# Altium PCB Onju-Home.PcbDoc (part 1 of 2) (continued)
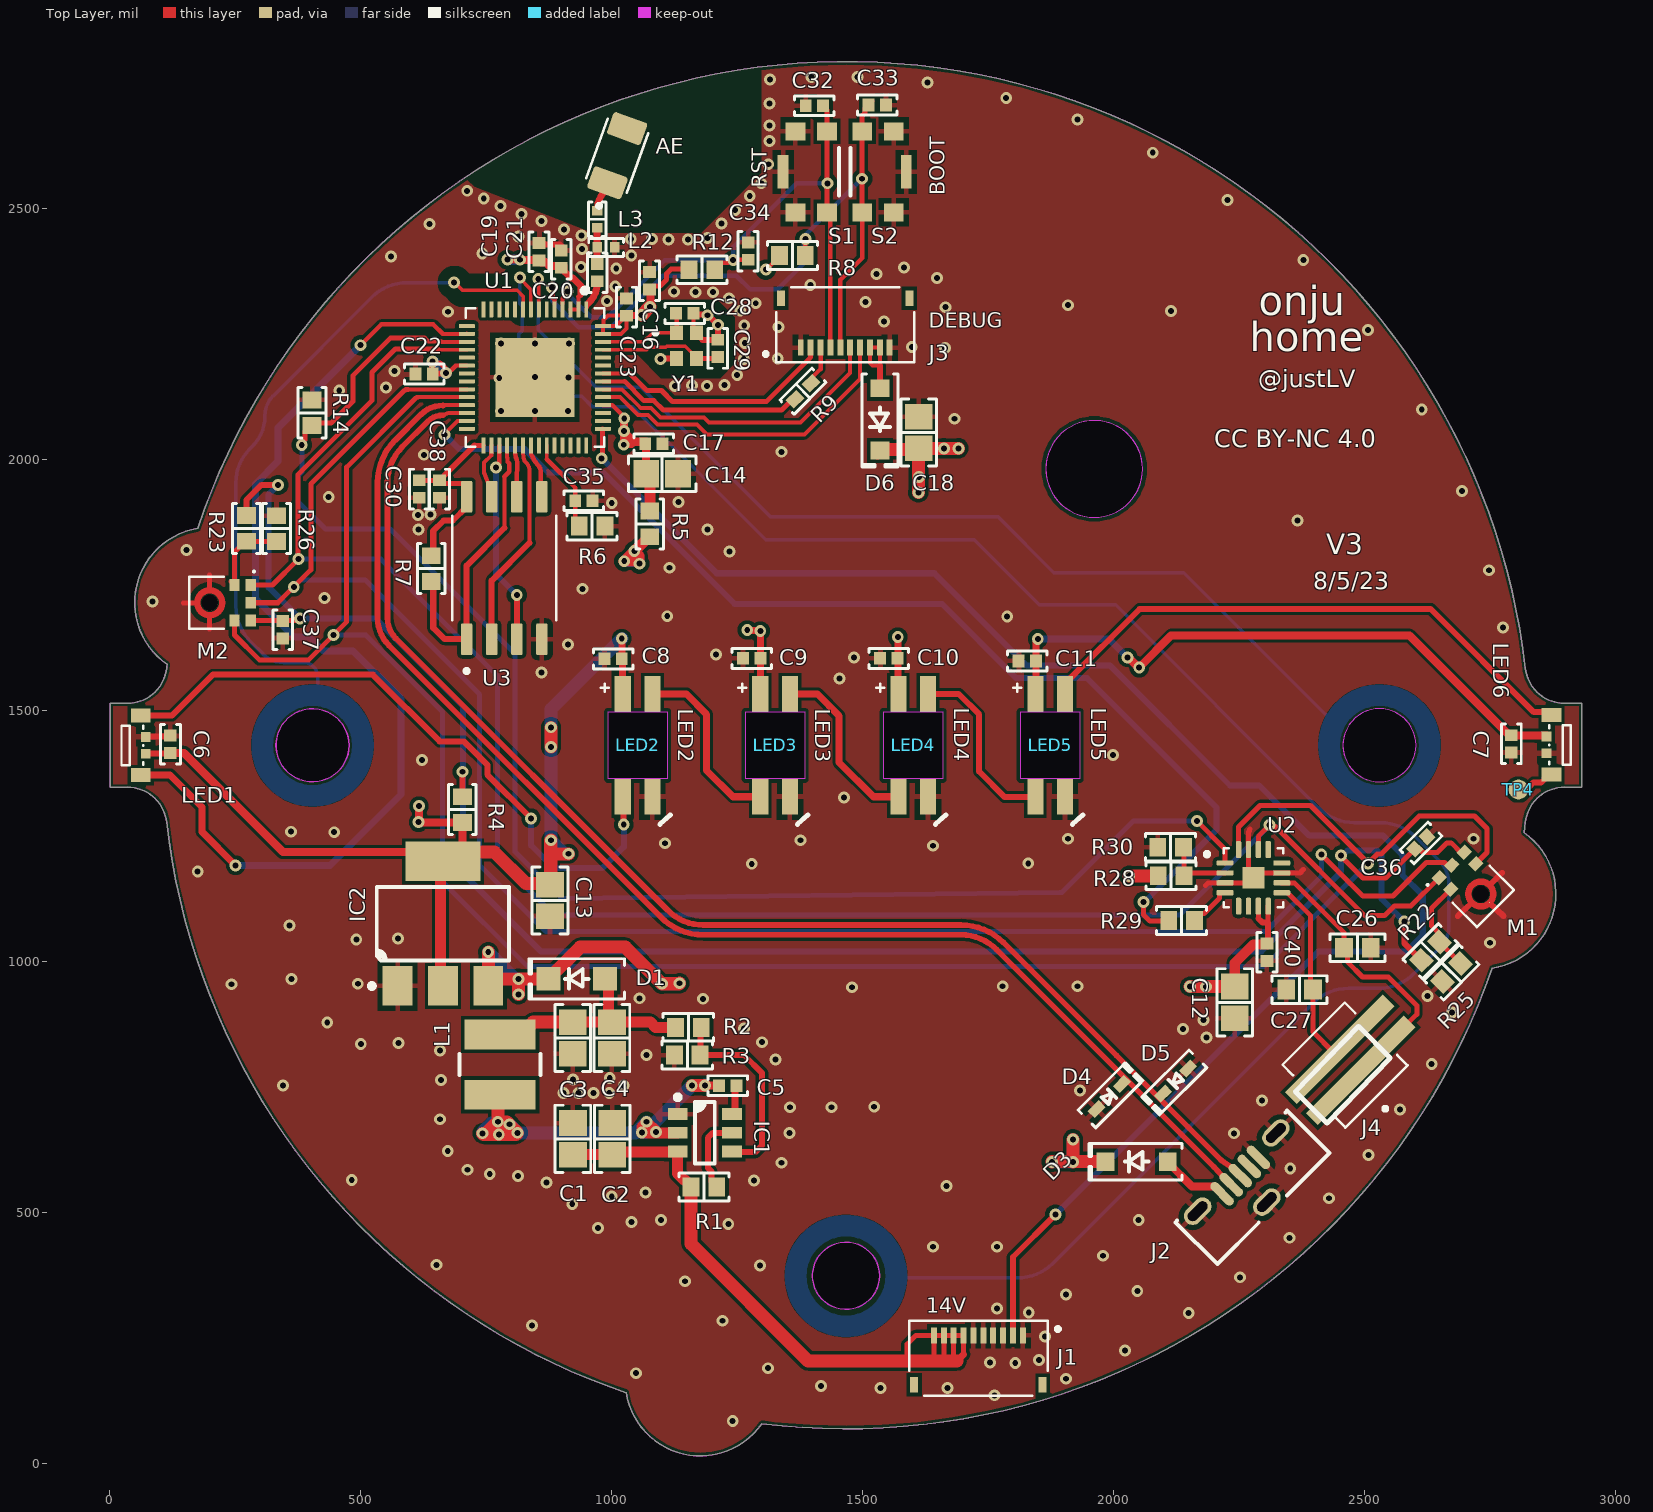
[diagram p0: Top Layer view]
## Components (designator, comment, footprint, x,y, rotation, side; value= is the part's Value field where it differs from the comment) (continued)
AE "2450AT18A100E" ANTC3216X140N 1011.04,2605.02 r70 top
C1 "10 µF" "CAP 0805_2012" 922.72,646 r90 top
C2 "10 µF" "CAP 0805_2012" 1000.72,646 r90 top
C3 "22 µF" "CAP 0805_2012" 922.42,847 r270 top
C4 "22 µF" "CAP 0805_2012" 1000.42,847 r270 top
C5 "0.1 µF" "CAP 0402_1005" 1231.25,752 r180 top
C6 "0.1 µF" "CAP 0402_1005" 120.63,1432.08 r270 top
C7 "0.1 µF" "CAP 0402_1005" 2792.57,1433 r90 top
C8 "0.1 µF" "CAP 0402_1005" 1002.74,1602.31 r0 top
C9 "0.1 µF" "CAP 0402_1005" 1278.81,1603.32 r0 top
C10 "0.1 µF" "CAP 0402_1005" 1552.17,1603.28 r0 top
C11 "0.1 µF" "CAP 0402_1005" 1827.9,1598.21 r0 top
C12 "10 µF" "CAP 0805_2012" 2241.42,918 r270 top
C13 "10 µF" "CAP 0805_2012" 876.99,1121.07 r270 top
C14 "10 µF" "CAP 0805_2012" 1100.52,1970.97 r0 top
C16 "1 µF" "CAP 0402_1005" 1075.3,2355.89 r270 top
C17 "0.1 µF" "CAP 0402_1005" 1084.14,2030.82 r180 top
C18 "10 µF" "CAP 0805_2012" 1611.5,2053.39 r90 top
C19 "1 µF" "CAP 0402_1005" 855.13,2413.83 r270 top
C20 "1.2 pF" "CAP 0402_1005" 970.97,2372.05 r270 top
C21 "0.1 µF" "CAP 0402_1005" 899.21,2398.96 r270 top
C22 "0.1 µF" "CAP 0402_1005" 626.11,2169.97 r0 top
C23 "0.1 µF" "CAP 0402_1005" 1029.29,2303.46 r270 top
C26 "220 pF" "CAP 0603_1608" 2485.91,1026.97 r0 top
C27 "220 pF" "CAP 0603_1608" 2370.55,943.41 r0 top
C28 "16 pF" "CAP 0402_1005" 1145.48,2290.72 r180 top
C29 "16 pF" "CAP 0402_1005" 1211.28,2220.86 r270 top
C30 "1 µF" "CAP 0402_1005" 616.39,1940.83 r90 top
C32 "0.1 µF" "CAP 0402_1005" 1403.93,2704.58 r0 top
C33 "0.1 µF" "CAP 0402_1005" 1529.16,2705.95 r180 top
C34 "1 µF" "CAP 0402_1005" 1271.72,2414.87 r270 top
C35 "1 µF" "CAP 0402_1005" 944.52,1917.61 r180 top
C36 "0.1 µF" "CAP 0402_1005" 2612.37,1235.67 r225 top
C37 "0.1 µF" "CAP 0402_1005" 344.66,1660.32 r90 top
C38 "0.1 µF" "CAP 0402_1005" 656.81,1940.83 r90 top
C40 "0.1 µF" "CAP 0402_1005" 2305.57,1018 r90 top
D1 "B240S1F-7" SOD123F 930.38,964.83 r180 top
D3 "1N5819HW-7-F" SOD-123 2046,600.43 r180 top
D4 "ESD5V0D5B-TP" SOD523F 1991.33,730.26 r45 top
D5 "ESD5V0D5B-TP" SOD523F 2123.44,760.98 r225 top
D6 "1N5819HW-7-F" SOD-123 1534.5,2079.7 r270 top
IC1 "TPS563201DDCT" "TI SOT-23-6 DDC" 1185.57,658 r0 top
IC2 "LD1117S33TR" "ST SOT-223" 663.7,1074.63 r90 top
J1 "FH34SRJ-10S-0.5SH(50)" HRS_FH34SRJ-10S-0.5SH(50) 1730.57,209 r0 top locked
J2 "1051330001" "MOLEX 1051330001" 2275.35,549.84 r45 top locked
J3 "FH34SRJ-10S-0.5SH(50)" HRS_FH34SRJ-10S-0.5SH(50) 1465.25,2267.84 r180 top
J4 "1775443-2" TE_1775443-2 2461.26,792.87 r135 top
L1 "3.3 µH" "BOURNS SRN4018" 777.57,794 r90 top
L2 "2.7 nH" "IND 0402_1005 RF WW" 988.63,2422.29 r0 top
L3 "3.3 nH" "IND 0402_1005 RF WW" 970.97,2478.35 r270 top
LED1 "SK6812D-EC3210R" LED-SMD_4P_SK6812D-EC3210R 66.45,1430 r270 top
LED2 "SK6812MINI-E" LED_SK6812-E 1051.63,1430 r90 top locked
LED3 "SK6812MINI-E" LED_SK6812-E 1325.63,1430 r90 top locked
LED4 "SK6812MINI-E" LED_SK6812-E 1600.63,1430 r90 top locked
LED5 "SK6812MINI-E" LED_SK6812-E 1873.63,1430 r90 top locked
LED6 "SK6812D-EC3210R" LED-SMD_4P_SK6812D-EC3210R 2867.7,1431 r90 top
M1 "SPH0645LM4H-B" MIC_SPH0645LM4H-B 2731.72,1133.86 r45 top
M2 "SPH0645LM4H-B" MIC_SPH0645LM4H-B 199.04,1714.21 r270 top
R1 "10 kOhms" "RES 0603_1608" 1183.57,550 r180 top
R2 "54.9 kOhms" "RES 0603_1608" 1152.57,868 r180 top
R3 "10 kOhms" "RES 0603_1608" 1150.57,813 r0 top
R4 "0 Ohms" "RES 0603_1608" 702.37,1302.17 r270 top
R5 "0 Ohms" "RES 0603_1608" 1075.88,1871.28 r90 top
R6 "442 kOhms" "RES 0603_1608" 960.7,1866.89 r180 top
R7 "100 kOhms" "RES 0603_1608" 640.4,1782.3 r270 top
R8 "10 kOhms" "RES 0603_1608" 1360,2406 r0 top
R9 "499 Ohms" "RES 0402_1005" 1381.11,2135.75 r225 top
R12 "10 kOhms" "RES 0603_1608" 1179.69,2377.53 r0 top
R14 "100 kOhms" "RES 0603_1608" 402.78,2092.75 r90 top
R22 "0 Ohms" "RES 0603_1608" 2631.19,1019.94 r45 top
R23 "DNP" "RES 0603_1608" 272.15,1862.22 r90 top
R25 "DNP" "RES 0603_1608" 2673.48,977.29 r45 top
R26 "0 Ohms" "RES 0603_1608" 332.03,1862.11 r270 top
R28 "DNP" "RES 0603_1608" 2114.57,1170 r180 top
R29 "0 Ohms" "RES 0603_1608" 2135.57,1081 r0 top
R30 "DNP" "RES 0603_1608" 2113.57,1227 r0 top
S1 "KMR221GLFS" SW_KMR221GLFS 1397.51,2572.76 r90 top locked
S2 "KMR221GLFS" SW_KMR221GLFS 1530.63,2572.76 r270 top locked
TP4 "TP" TP_1MM 2806.57,1342 r90 top
U1 "ESP32-S3R8" QFN40P700X700X90-57N 846.86,2163.16 r270 top
U2 "MAX98357AETE+" QFN50P300X300X80-17N 2278.57,1166 r0 top
U3 "W25Q128JVSIQ" SOIC127P790X216-8N 785.85,1783.56 r90 top
Y1 "ABM11-40.000MHZ-12-B1U-T3" XTAL_ABM11-40.000MHZ-12-B1U-T3 1149.03,2226.64 r0 top

## Footprints (in the part's own frame and the unit in brackets; to place one, negate y for a bottom-side part, rotate by r counter-clockwise, add the part's x,y. Pads: shape width x height; smd on the part's side, far side on the other; paste and mask are expansions set on the pad)
ANTC3216X140N [mm]
  rrect25% 1.2x1.82 smd: 1(-1.46,0) 2(1.46,0)
  silkscreen extent -2.8,-1.09 1.6,1.09, body extent -1.6,-0.8 1.6,0.8, height 1.4
"BOURNS SRN4018" [mm] "Power Inductor, 2-Leads, Bourns, SRN4018-220M"
  rect 1.5x3.6 smd: 1(-1.525,0) 2(1.525,0)
  silkscreen extent -0.53,-2.05 0.53,2.05, body extent -2.05,-2.05 2.05,2.05, height 1.8
"CAP 0402_1005" [mm] "Chip Capacitor, 2-Leads, Body 1.02x0.51mm, IPC Medium Density"
  rect 0.6x0.64 smd: 1(-0.44,0) 2(0.44,0)
  silkscreen extent -1,-0.5 1,0.5, body extent -0.5,-0.26 0.5,0.26, height 0.52
"CAP 0603_1608" [mm] "Chip Capacitor, 2-Leads, Body 1.60x0.80mm, IPC Medium Density"
  rect 0.9x1 smd: 1(-0.675,0) 2(0.675,0)
  silkscreen extent -1.4,-0.7 1.4,0.7, body extent -0.8,-0.41 0.8,0.41, height 0.82
"CAP 0805_2012" [mm] "Chip Capacitor, 2-Leads, Body 2.00x1.20mm, IPC Medium Density"
  rect 1.3x1.4 smd: 1(-0.8,0) 2(0.8,0)
  silkscreen extent -1.7,-0.9 1.7,0.9, body extent -1,-0.64 1,0.64, height 1.26
HRS_FH34SRJ-10S-0.5SH(50) [mm]
  rect 0.3x0.8 smd paste-1 mask+0.05: 1(2.25,1.15) 2(1.75,1.15) 3(1.25,1.15) 4(0.75,1.15) 5(0.25,1.15) 6(-0.25,1.15) 7(-0.75,1.15) 8(-1.25,1.15) 9(-1.75,1.15) 10(-2.25,1.15)
  rect 0.4x0.8 smd: S1(3.25,-1.35) S2(-3.25,-1.35)
  silkscreen extent -3.5,-1.9 4.13,1.9, body extent -3.5,-1.88 3.5,1.92, height 0.99
"IND 0402_1005 RF WW" [mm] "Chip Inductor, 2-Leads, Body 1.00x0.50mm, IPC High Density"
  rect 0.48x0.54 smd: 1(-0.44,0) 2(0.44,0)
  silkscreen extent -0.87,-0.45 0.87,0.45, body extent -0.5,-0.29 0.5,0.29, height 0.51
LED-SMD_4P_SK6812D-EC3210R [mm]
  rect 0.5x0.5 smd: 1(-0.425,0.125) 4(0.425,0.125)
  rect 0.7x1 smd: 2(-1.505,-0.125) 3(1.505,-0.125)
  silkscreen extent -1,-1.1 1,0
LED_SK6812-E [mm]
  rect 1.8x0.82 smd: 1(2.6,0.75) 2(2.6,-0.75) 3(-2.6,-0.75) 4(-2.6,0.75)
  Keep-Out Layer board cut-out: 1.7,1.5 1.7,-1.5 -1.7,-1.5 -1.7,1.5
  silkscreen extent -3.99,-1.65 3.12,1.87, body extent -2.92,-1.41 2.96,1.39, height 0.94
MIC_SPH0645LM4H-B [mm]
  rect 0.6x0.522 smd mask+0.076: 1(-0.9,2.074) 2(-0.9,1.252) 4(0.9,1.252) 5(0.9,2.074) 6(0,2.074)
  round 0.025 smd paste-2539.97 mask+0.076: 3(0.001,-0.614)
  round 0.8 hole 0.85 unplated: ""(0,0)
  Top Layer region: 243 vertices and 0 holes, not listed, extent -0.78,-0.78 0.78,0.78
  silkscreen extent -1.63,-1.04 1.33,2.28, body extent -1.33,-1.05 1.33,2.45, height 1.08
"MOLEX 1051330001" [mm] "micro B USB 2.0 Receptacle Connector, 5 Position, Body 8.00x2.90 mm"
  oval 0.45x1.5 smd: 1(-1.3,0.825) 2(-0.65,0.825) 3(0,0.825) 4(0.65,0.825) 5(1.3,0.825)
  oval 1.6x0.9 hole 0.5 slot 1.2 at 0 deg: S(-2.8,1.075) S(0,-1.075) S(2.8,1.075)
  silkscreen extent -3.99,-1.56 3.99,1.48, body extent -3.99,-1.56 3.99,1.47, height 6.75
QFN40P700X700X90-57N [mm]
  rrect25% 0.81x0.2 smd mask+0.051: 1(-3.445,2.6) 2(-3.445,2.2) 3(-3.445,1.8) 4(-3.445,1.4) 5(-3.445,1) 6(-3.445,0.6) 7(-3.445,0.2) 8(-3.445,-0.2) 9(-3.445,-0.6) 10(-3.445,-1) 11(-3.445,-1.4) 12(-3.445,-1.8) 13(-3.445,-2.2) 14(-3.445,-2.6) 29(3.445,-2.6) 30(3.445,-2.2) 31(3.445,-1.8) 32(3.445,-1.4) 33(3.445,-1) 34(3.445,-0.6) 35(3.445,-0.2) 36(3.445,0.2) 37(3.445,0.6) 38(3.445,1) 39(3.445,1.4) 40(3.445,1.8) 41(3.445,2.2) 42(3.445,2.6)
  rrect25% 0.2x0.81 smd mask+0.051: 15(-2.6,-3.445) 16(-2.2,-3.445) 17(-1.8,-3.445) 18(-1.4,-3.445) 19(-1,-3.445) 20(-0.6,-3.445) 21(-0.2,-3.445) 22(0.2,-3.445) 23(0.6,-3.445) 24(1,-3.445) 25(1.4,-3.445) 26(1.8,-3.445) 27(2.2,-3.445) 28(2.6,-3.445) 43(2.6,3.445) 44(2.2,3.445) 45(1.8,3.445) 46(1.4,3.445) 47(1,3.445) 48(0.6,3.445) 49(0.2,3.445) 50(-0.2,3.445) 51(-0.6,3.445) 52(-1,3.445) 53(-1.4,3.445) 54(-1.8,3.445) 55(-2.2,3.445) 56(-2.6,3.445)
  rect 4x4 smd paste-3: 57(0,0)
  silkscreen extent -4.55,-3.5 3.5,3.5, body extent -3.5,-3.5 3.5,3.5, height 0.9
QFN50P300X300X80-17N [mm]
  rrect50% 0.86x0.27 smd mask+0.064: 1(-1.435,0.75) 2(-1.435,0.25) 3(-1.435,-0.25) 4(-1.435,-0.75) 9(1.435,-0.75) 10(1.435,-0.25) 11(1.435,0.25) 12(1.435,0.75)
  rrect50% 0.27x0.86 smd mask+0.064: 5(-0.75,-1.435) 6(-0.25,-1.435) 7(0.25,-1.435) 8(0.75,-1.435) 13(0.75,1.435) 14(0.25,1.435) 15(-0.25,1.435) 16(-0.75,1.435)
  rect 1.1x1.1 smd paste-2: 17(0,0)
  silkscreen extent -2.46,-1.5 1.5,1.5, body extent -1.56,-1.56 1.56,1.56, height 0.75
"RES 0402_1005" [mm] "Chip Resistor, 2-Leads, Body 1.0x0.5mm, IPC Medium Density"
  rect 0.75x0.6 smd: 1(-0.575,0) 2(0.575,0)
  silkscreen extent -1.14,-0.51 1.14,0.51, body extent -0.5,-0.25 0.5,0.25, height 0.35
"RES 0603_1608" [mm] "Chip Resistor, 2-Leads, Body 1.60x0.80mm, IPC Medium Density"
  rect 0.85x0.95 smd: 1(-0.65,0) 2(0.65,0)
  silkscreen extent -1.27,-0.7 1.27,0.7, body extent -0.8,-0.4 0.8,0.4, height 0.45
SOD123F [mm] "SODFL, 2-Leads, Body 1.60x3.50mm, IPC Medium Density"
  rect 1.2x1.2 smd: 1(-1.43,0) 2(1.43,0)
  silkscreen extent -2.41,-1.02 2.41,1.02, body extent -1.75,-0.8 1.75,0.8, height 1.1
SOD523F [mm] "SODFL, 2-Leads, Body 0.80x1.60mm, IPC Medium Density"
  rect 0.8x0.5 smd: 1(-0.9,0) 2(0.9,0)
  silkscreen extent -1.6,-0.63 1.8,0.64, body extent -0.8,-0.4 0.8,0.4, height 0.65
SOD-123 [mm] "SOD, 2-Leads, Body 1.55x3.70mm, IPC Medium Density"
  rect 0.9x0.95 smd: 1(-1.575,0) 2(1.575,0)
  silkscreen extent -2.3,-0.92 2.41,0.92, body extent -1.86,-0.78 1.86,0.77, height 1.35
SOIC127P790X216-8N [mm]
  rrect25% 1.61x0.58 smd: 1(-3.605,1.905) 2(-3.605,0.635) 3(-3.605,-0.635) 4(-3.605,-1.905) 5(3.605,-1.905) 6(3.605,-0.635) 7(3.605,0.635) 8(3.605,1.905)
  silkscreen extent -5.31,-2.64 2.64,2.64, body extent -3.95,-2.64 3.95,2.64, height 2.16
"ST SOT-223" [mm] "SOT223, 4-Leads, Body 6.50x7.00mm (avg), Pitch 2.30mm, IPC Medium Density"
  rect 2x1.5 smd: 1(-3.15,2.3) 2(-3.15,0) 3(-3.15,-2.3)
  rect 2x3.8 smd: 4(3.15,0)
  silkscreen extent -3.27,-3.35 1.85,3.72, body extent -3.52,-3.25 3.5,3.25, height 1.8
SW_KMR221GLFS [mm]
  rect 0.9x1 smd: 1(-2.05,0.8) 2(-2.05,-0.8) 3(2.05,-0.8) 4(2.05,0.8)
  rect 1.7x0.55 smd: 5(0,1.425)
  silkscreen extent -1.2,-1.4 1.2,-1.4, body extent -2.3,-1.4 2.3,1.4, height 1.9
TE_1775443-2 [mm]
  rect 0.85x7 smd paste-5 mask+0: 1(-0.75,-0.375) 2(0.75,-0.375)
  silkscreen extent -3.1,-2.23 2.25,2.23, body extent -2.25,-3.77 2.25,2.23, height 5.05
"TI SOT-23-6 DDC" [mm] "SOT23, 6-Leads, Body 2.90x2.80mm, Pitch 0.95mm, IPC Medium Density"
  rect 1x0.6 smd: 1(-1.375,0.95) 2(-1.375,0) 3(-1.375,-0.95) 4(1.375,-0.95) 5(1.375,0) 6(1.375,0.95)
  silkscreen extent -1.5,-1.55 0.5,1.92, body extent -1.19,-1.45 1.19,1.45, height 1
TP_1MM [mm]
  round 1 smd: 1(0,0)
XTAL_ABM11-40.000MHZ-12-B1U-T3 [mm]
  rect 0.65x0.75 smd: 1(-0.5,0.65) 2(-0.5,-0.65) 3(0.5,-0.65) 4(0.5,0.65)
  silkscreen extent -1.67,0.55 -1.48,0.75

## Part data
AE: "2.4GHz Chip RF Antenna 2.4GHz ~ 2.5GHz 0.5dBi Solder Surface Mount", JLC part number=C89334, Manufacturer="Johanson Technology", Package="FBGA-780 Johanson", Availability=Unavailable, MF="Johanson Technology", MP=2450AT18A100E, Part Number=2450AT18A100E, Price=None, SnapEDA_Link=https://www.snapeda.com/parts/2450AT18A100E/Johanson%20Technology%20Inc./view-part/267154/?ref=snap
C1 C2 C12 C13 C14 C18: library part CL21A106KOQNNNE, "CAP CER 10UF 16V X5R 0805", Device Package="0805 (2012 Metric)", JLC part number=C1713, Manufacturer="Samsung Electro-Mechanics", Operating Temperature="-55°C ~ 85°C", Supplier Part Number 1=1276-1096-1-ND, Temperature Coefficient=X5R, Tolerance=±10%, Voltage - Rated=16V, Applications="General Purpose", Capacitance="10 µF", ComponentLink1Description=Datasheet, ComponentLink1URL=http://www.samsungsem.com/kr/support/product-search/mlcc/CL21A106KOQNNNE.jsp, ComponentLink2Description="DigiKey Link", ComponentLink2URL=https://www.digikey.com/en/products/detail/samsung-electro-mechanics/CL21A106KOQNNNE/3886754, LastUpdated="5/18/2023 7:18:21 PM", Lifecycle Status=Active, Minimum Order=1, Mounting Type="Surface Mount, MLCC", Package / Case="0805 (2012 Metric)", Packaging=TapeAndReel, Part Number=CL21A106KOQNNNE, Part Status=Active, PartId=14297, Price=0.01, Series=CL, Size / Dimension="0.079\" L x 0.049\" W (2.00mm x 1.25mm)", Supplier 1=DigiKey, Thickness (Max)="0.055\" (1.40mm)"
C3 C4: library part CL21A226MAYNNNE, "CAP CER 22UF 25V X5R 0805", Device Package="0805 (2012 Metric)", JLC part number=C602037, Manufacturer="Samsung Electro-Mechanics", Operating Temperature="-55°C ~ 85°C", Supplier Part Number 1=1276-CL21A226MAYNNNECT-ND, Temperature Coefficient=X5R, Tolerance=±20%, Voltage - Rated=25V, Applications="General Purpose", Capacitance="22 µF", ComponentLink1Description=Datasheet, ComponentLink1URL=https://media.digikey.com/pdf/Data%20Sheets/Samsung%20PDFs/CL21A226MAYNNNE_Spec.pdf, ComponentLink2Description="DigiKey Link", ComponentLink2URL=https://www.digikey.com/en/products/detail/samsung-electro-mechanics/CL21A226MAYNNNE/10479857, LastUpdated="5/18/2023 7:17:22 PM", Lifecycle Status=Active, Minimum Order=1, Mounting Type="Surface Mount, MLCC", Package / Case="0805 (2012 Metric)", Packaging=TapeAndReel, Part Number=CL21A226MAYNNNE, Part Status=Active, PartId=39209, Price=0.04, Series=CL, Size / Dimension="0.079\" L x 0.049\" W (2.00mm x 1.25mm)", Supplier 1=DigiKey, Thickness (Max)="0.057\" (1.45mm)"
C5 C6 C7 C8 C9 C10 C11 C17 C21 C22 C23 C32 C33 C36 C37 C38 C40: library part CL05A104KA5NNNC, "CAP CER 0.1UF 25V X5R 0402", Device Package="0402 (1005 Metric)", JLC part number=C307331, Manufacturer="Samsung Electro-Mechanics", Operating Temperature="-55°C ~ 85°C", Supplier Part Number 1=1276-1043-1-ND, Temperature Coefficient=X5R, Tolerance=±10%, Voltage - Rated=25V, Applications="General Purpose", Capacitance="0.1 µF", ComponentLink1Description=Datasheet, ComponentLink1URL=http://www.samsungsem.com/kr/support/product-search/mlcc/CL05A104KA5NNNC.jsp, ComponentLink2Description="DigiKey Link", ComponentLink2URL=https://www.digikey.com/en/products/detail/samsung-electro-mechanics/CL05A104KA5NNNC/3886701, LastUpdated="6/8/2023 7:05:37 PM", Lifecycle Status=Active, Minimum Order=1, Mounting Type="Surface Mount, MLCC", Package / Case="0402 (1005 Metric)", Packaging=CutTape, Part Number=CL05A104KA5NNNC, Part Status=Active, PartId=6090, Price=0.01, Series=CL, Size / Dimension="0.039\" L x 0.020\" W (1.00mm x 0.50mm)", Supplier 1=DigiKey, Thickness (Max)="0.022\" (0.55mm)"
C16 C19 C30 C34 C35: library part GRM155R61E105MA12J, "CAP CER 1UF 25V X5R 0402", Device Package="0402 (1005 Metric)", Manufacturer="Murata Electronics", Operating Temperature="-55°C ~ 85°C", Supplier Part Number 1=490-GRM155R61E105MA12JCT-ND, Temperature Coefficient=X5R, Tolerance=±20%, Voltage - Rated=25V, Applications="General Purpose", Capacitance="1 µF", ComponentLink1Description=Datasheet, ComponentLink1URL=https://search.murata.co.jp/Ceramy/image/img/A01X/G101/ENG/GRM155R61E105MA12-01A.pdf, ComponentLink2Description="DigiKey Link", ComponentLink2URL=https://www.digikey.com/en/products/detail/murata-electronics/GRM155R61E105MA12J/16033918, LastUpdated="6/8/2023 7:04:55 PM", Lifecycle Status=Active, Minimum Order=1, Mounting Type="Surface Mount, MLCC", Package / Case="0402 (1005 Metric)", Packaging=TapeAndReel, Part Number=GRM155R61E105MA12J, Part Status=Active, PartId=40853, Price=0.01, Series=GRM, Size / Dimension="0.039\" L x 0.020\" W (1.00mm x 0.50mm)", Supplier 1=DigiKey, Thickness (Max)="0.022\" (0.55mm)"
C20: library part 500R07S1R2BV4T, "CAP CER 1.2PF 50V C0G/NP0 0402", Device Package="0402 (1005 Metric)", JLC part number=C1551, Manufacturer="Johanson Technology Inc.", Operating Temperature="-55°C ~ 125°C", Supplier Part Number 1=712-1268-1-ND, Temperature Coefficient="C0G, NP0", Tolerance=±0.1pF, Voltage - Rated=50V, Applications="RF, Microwave, High Frequency", Capacitance="1.2 pF", ComponentLink1Description=Datasheet, ComponentLink1URL=https://www.johansontechnology.com/downloads/catalog/johanson-technology-multi-layer-high-q-capacitors.pdf, ComponentLink2Description="DigiKey Link", ComponentLink2URL=https://www.digikey.com/en/products/detail/johanson-technology-inc/500R07S1R2BV4T/1561523, Features="High Q, Low Loss, Ultra Low ESR", LastUpdated="6/8/2023 7:05:36 PM", Lifecycle Status=Active, Minimum Order=1, Mounting Type="Surface Mount, MLCC", Package / Case="0402 (1005 Metric)", Packaging=TapeAndReel, Part Number=500R07S1R2BV4T, Part Status=Active, PartId=6520, Price=0.02, Series=S, Size / Dimension="0.040\" L x 0.020\" W (1.02mm x 0.51mm)", Supplier 1=DigiKey, Thickness (Max)="0.024\" (0.61mm)"
C26 C27: library part CL10B221KB8NFNC, "CAP CER 220PF 50V X7R 0603", Device Package="0603 (1608 Metric)", JLC part number=C1603, Manufacturer="Samsung Electro-Mechanics", Operating Temperature="-55°C ~ 125°C", Supplier Part Number 1=1276-1986-1-ND, Temperature Coefficient=X7R, Tolerance=±10%, Voltage - Rated=50V, Applications="General Purpose", Capacitance="220 pF", ComponentLink1Description=Datasheet, ComponentLink1URL=http://www.samsungsem.com/kr/support/product-search/mlcc/CL10B221KB8NFNC.jsp, ComponentLink2Description="DigiKey Link", ComponentLink2URL=https://www.digikey.com/en/products/detail/samsung-electro-mechanics/CL10B221KB8NFNC/3887644, LastUpdated="5/18/2023 7:12:41 PM", Lifecycle Status=Active, Minimum Order=1, Mounting Type="Surface Mount, MLCC", Package / Case="0603 (1608 Metric)", Packaging=TapeAndReel, Part Number=CL10B221KB8NFNC, Part Status=Active, PartId=3570, Price=0.01, Series=CL, Size / Dimension="0.063\" L x 0.031\" W (1.60mm x 0.80mm)", Supplier 1=DigiKey, Thickness (Max)="0.035\" (0.90mm)"
C28 C29: library part GCM1555C1H160FA16D, "CAP CER 16PF 50V C0G/NP0 0402", Device Package="0402 (1005 Metric)", Manufacturer="Murata Electronics", Operating Temperature="-55°C ~ 125°C", Ratings=AEC-Q200, Supplier Part Number 1=490-GCM1555C1H160FA16DCT-ND, Temperature Coefficient="C0G, NP0", Tolerance=±1%, Voltage - Rated=50V, Applications=Automotive, Capacitance="16 pF", ComponentLink1Description=Datasheet, ComponentLink1URL=https://search.murata.co.jp/Ceramy/image/img/A01X/G101/ENG/GCM1555C1H160FA16-01.pdf, ComponentLink2Description="DigiKey Link", ComponentLink2URL=https://www.digikey.com/en/products/detail/murata-electronics/GCM1555C1H160FA16D/16033389, LastUpdated="6/9/2023 7:04:45 PM", Lifecycle Status=Active, Minimum Order=1, Mounting Type="Surface Mount, MLCC", Package / Case="0402 (1005 Metric)", Packaging=TapeAndReel, Part Number=GCM1555C1H160FA16D, Part Status=Active, PartId=41095, Price=0.01, Series=GCM, Size / Dimension="0.039\" L x 0.020\" W (1.00mm x 0.50mm)", Supplier 1=DigiKey, Thickness (Max)="0.022\" (0.55mm)"
D1: "DIODE SCHOTTKY 40V 2A SOD123F", Capacitance @ Vr, F="100pF @ 4V, 1MHz", Current - Average Rectified (Io)=2A, Current - Reverse Leakage @ Vr="200 µA @ 40 V", JLC part number=C3001607, Manufacturer="Diodes Incorporated", Operating Temperature - Junction="-55°C ~ 150°C", Package / Case=SOD-123F, Supplier Part Number 1=B240S1F-7DICT-ND, Voltage - DC Reverse (Vr) (Max)="40 V", Voltage - Forward (Vf) (Max) @ If="500 mV @ 2 A", ComponentLink1Description=Datasheet, ComponentLink1URL=https://www.diodes.com/assets/Datasheets/B240S1F.pdf, ComponentLink2Description="DigiKey Link", ComponentLink2URL=https://www.digikey.com/en/products/detail/diodes-incorporated/B240S1F-7/7666757, Diode Type=Schottky, LastUpdated="5/19/2023 8:24:02 PM", Lifecycle Status=Active, Minimum Order=1, Mounting Type="Surface Mount", Packaging=TapeAndReel, Part Number=B240S1F-7, Part Status=Active, PartId=2372, Price=0.05, Series=-, Speed="Fast Recovery =< 500ns, > 200mA (Io)", Supplier 1=DigiKey, Supplier Device Package=SOD-123F
D3 D6: "DIODE SCHOTTKY 40V 1A SOD123", Capacitance @ Vr, F="60pF @ 4V, 1MHz", Current - Average Rectified (Io)=1A, Current - Reverse Leakage @ Vr="1 mA @ 40 V", JLC part number=C82544, Manufacturer="Diodes Incorporated", Operating Temperature - Junction="-65°C ~ 125°C", Package / Case=SOD-123, Supplier Part Number 1=1N5819HW-FDICT-ND, Voltage - DC Reverse (Vr) (Max)="40 V", Voltage - Forward (Vf) (Max) @ If="450 mV @ 1 A", ComponentLink1Description=Datasheet, ComponentLink1URL=https://www.diodes.com/assets/Datasheets/ds30217.pdf, ComponentLink2Description="DigiKey Link", ComponentLink2URL=https://www.digikey.com/en/products/detail/diodes-incorporated/1N5819HW-7-F/814970, Diode Type=Schottky, LastUpdated="5/18/2023 8:19:19 PM", Lifecycle Status=Active, Minimum Order=1, Mounting Type="Surface Mount", Packaging=TapeAndReel, Part Number=1N5819HW-7-F, Part Status=Active, PartId=2212, Price=0.05, Series=-, Speed="Fast Recovery =< 500ns, > 200mA (Io)", Supplier 1=DigiKey, Supplier Device Package=SOD-123
D4 D5: "TVS DIODE 5VWM 13VC SOD523", Part Number=ESD5V0D5B-TP
IC1: "IC REG BUCK ADJ 3A TSOT23-6", Current - Output=3A, Device Package="SOT-23-6 Thin, TSOT-23-6", Frequency - Switching=580kHz, Manufacturer="Texas Instruments", Operating Temperature="-40°C ~ 125°C (TJ)", Supplier Device Package=TSOT-23-6, Supplier Part Number 1=296-43393-2-ND, Voltage - Input (Max)=17V, Voltage - Input (Min)=4.5V, Voltage - Output (Max)=7V, Voltage - Output (Min/Fixed)=0.768V, ComponentLink1Description=Datasheet, ComponentLink1URL=http://www.ti.com/general/docs/suppproductinfo.tsp?distId=10&gotoUrl=http%3A%2F%2Fwww.ti.com%2Flit%2Fgpn%2Ftps563201, ComponentLink2Description="DigiKey Link", ComponentLink2URL=//digikey.com/product-detail/en/texas-instruments/TPS563201DDCT/296-43393-2-ND/5813458, Function=Step-Down, LastUpdated="12/12/2019 10:07:22 AM", Lifecycle Status=0, Minimum Order=1, Mounting Type="Surface Mount", Number of Outputs=1, Output Configuration=Positive, Output Type=Adjustable, Package / Case="SOT-23-6 Thin, TSOT-23-6", Packaging=TapeAndReel, Part Number=TPS563201DDCT, Part Status=Active, Price=0.54, Series="D-CAP2™, Eco-Mode™", Supplier 1=DigiKey, Synchronous Rectifier=Yes, Topology=Buck